# KiCad board processed.kicad_pcb (continued)
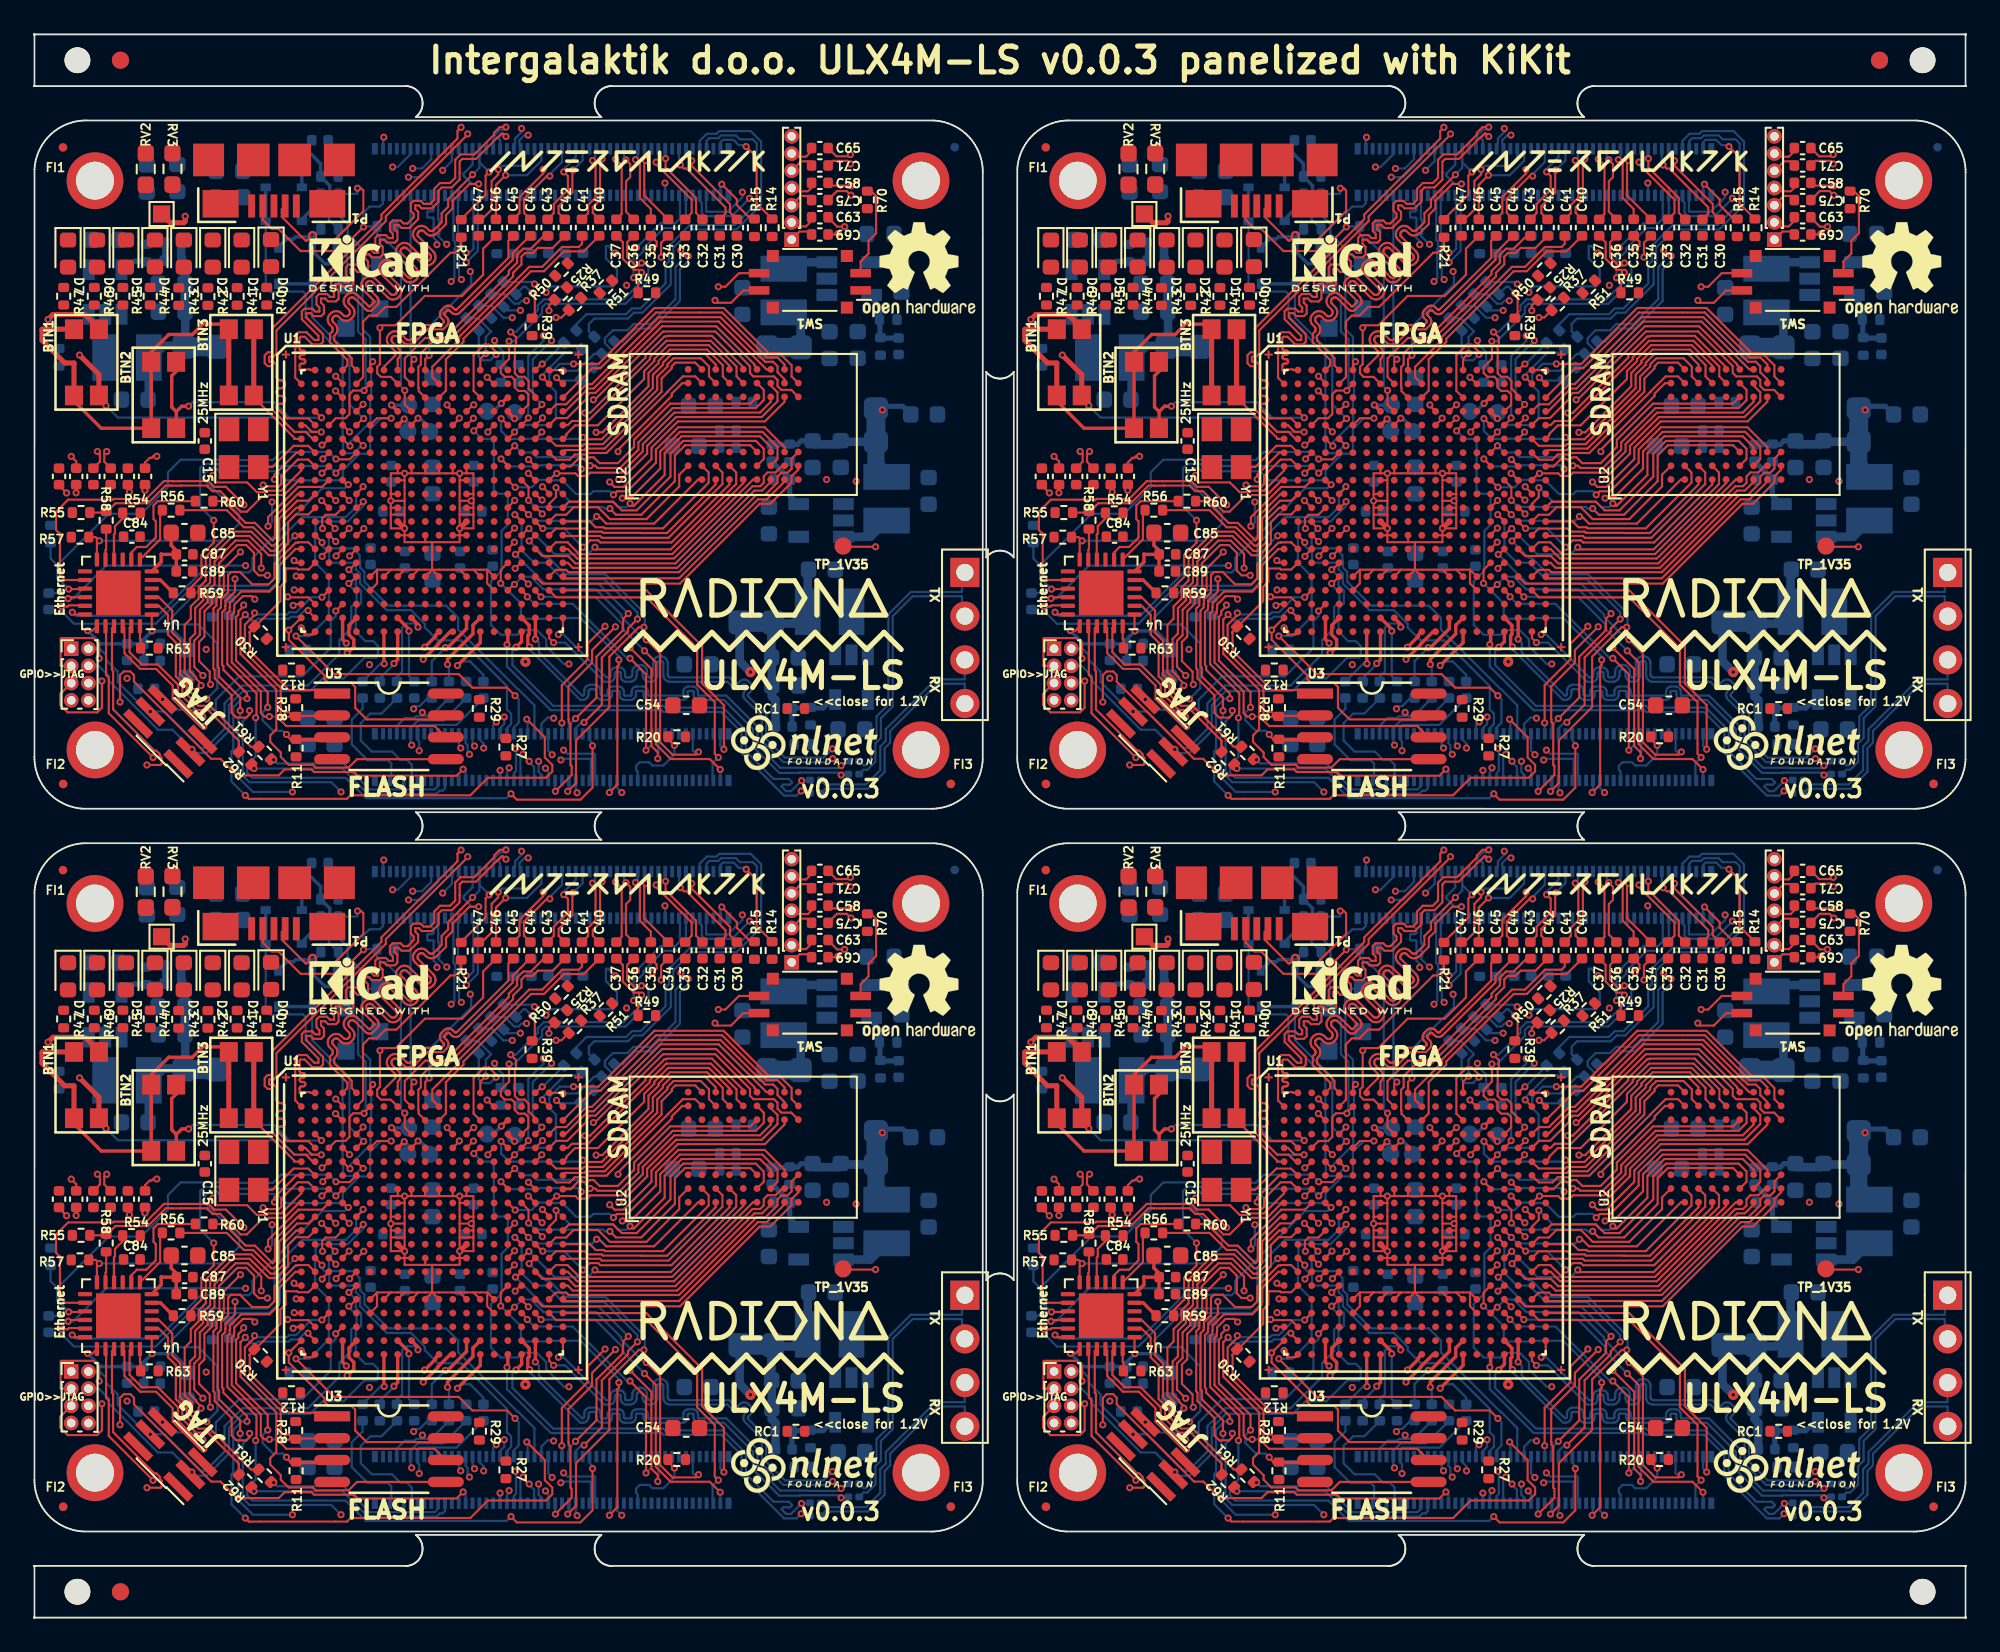
[diagram p0: board, top side]
## Routing (per net, layer and track width the routed paths; a pad name or vN(x,y) marks a point on that pad's centre or on a via; arc(x,y) is an arc through that point) (continued)
  Bottom w0.127: v1(85.5,50.17) 85.35,50.02 85.35,48.66 J1#2.41
Board_1-GPIO26: length 17.3
  Top w0.127: v1(72.15,58.82) 72.22,58.9 U1#2.V1
  In2.Cu w0.127: v1(81.88,50.53) 80.2,52.21 80.2,56.62 80.01,56.81 78.35,56.81 78.31,56.77 78.3,56.77 78.19,56.66 75.78,56.66 75.39,57.05 73.91,57.05 v1(72.15,58.82)
  Bottom w0.127: v1(81.88,50.53) 81.77,50.64 J1#2.24
Board_1-GPIO27: length 31.5
  Top w0.127: v1(85.05,60.97) 85.37,61.3 U1#2.R17
  In2.Cu w0.127: v1(87.28,52.27) 87.28,51.66 87.33,51.62 87.57,51.62 88.4,50.79 88.4,48.99 89.84,47.55 91.74,47.55 92.37,48.18 94.33,48.18 94.83,48.68 94.83,50.84 94.47,51.2 94.14,51.2 93.46,51.88 93.46,53.19 92.12,54.53 92.12,56.58 91.82,56.88 90.11,56.88 86.97,60.02 86.82,60.02 85.87,60.97 v1(85.05,60.97)
  Bottom w0.127: v1(87.28,52.27) 87.24,52.31 86.94,52.31 86.57,51.93 J1#2.48
Board_1-HDMI0_CLK_N: length 5.3
  Top w0.127: C30#2.2 97.53,81.66 97.53,82.14 95.31,84.36 v1(95.31,84.66)
  Bottom w0.127: v1(95.31,84.66) 94.97,85 J2#2.90
Board_1-HDMI0_CLK_P: length 5.5
  Top w0.127: C31#2.2 97.27,81.6 97.27,81.95 95.01,84.21 94.85,84.21 v1(94.64,84.42)
  Bottom w0.127: J2#2.88 94.57,84.49 v1(94.64,84.42)
Board_1-HDMI0_SCL: length 6.9
  Top w0.127: v1(98.47,85.49) 99.08,84.88 99.08,82.18 R14#2.2
  Bottom w0.127: v1(98.47,85.49) 98.39,85.57 98.04,85.57 97.73,85.88 97.12,85.88 96.97,85.73 J2#2.100
Board_1-HDMI0_SDA: length 3.6
  Top w0.127: v1(97.05,83.3) 97.93,82.42 97.93,82.08 98.74,81.28 R15#2.2
  Bottom w0.127: v1(97.05,83.3) 96.97,83.21 J2#2.99
Board_1-HDMI0_TX0_N: length 5
  Top w0.127: v1(93.79,84.79) 93.79,84.27 95.56,82.5 95.56,81.63 C32#2.2
  Bottom w0.127: J2#2.84 93.77,84.81 v1(93.79,84.79)
Board_1-HDMI0_TX0_P: length 5.2
  Top w0.127: C33#2.2 95.3,81.63 95.3,82.39 93.24,84.46 v1(93.24,84.58)
  Bottom w0.127: J2#2.82 93.37,84.71 v1(93.24,84.58)
Board_1-HDMI0_TX1_N: length 4.7
  Top w0.127: v1(92.64,84.67) 92.55,84.58 92.55,82.64 C34#4.2
  Bottom w0.127: J2#2.78 92.57,84.74 v1(92.64,84.67)
Board_1-HDMI0_TX1_P: length 4.5
  Top w0.127: C35#2.2 92.93,81.86 92.29,82.49 92.29,84.46 v1(92.04,84.72)
  Bottom w0.127: J2#2.76 92.17,84.85 v1(92.04,84.72)
Board_1-HDMI0_TX2_N: length 4.5
  Top w0.127: v1(91.49,84.71) 91.73,84.46 91.73,83.71 91.49,83.46 91.49,81.7 C36#2.2
  Bottom w0.127: J2#2.72 91.37,84.83 v1(91.49,84.71)
Board_1-HDMI0_TX2_P: length 4.4
  Top w0.127: C37#2.2 91.23,81.56 91.23,84.39 v1(90.88,84.75)
  Bottom w0.127: J2#2.70 90.97,84.84 v1(90.88,84.75)
Board_1-HDMI1_CLK_N: length 4.5
  Top w0.127: C40#2.2 89.56,81.63 89.56,81.97 89.98,82.39 89.98,84.65 v1(90.1,84.76)
  Bottom w0.127: J2#2.66 90.17,84.84 v1(90.1,84.76)
Board_1-HDMI1_CLK_P: length 4.6
  Top w0.127: 89.6,84.48 89.72,84.36 89.72,82.52 89.28,82.09 89.28,81.61 C41#2.2
  Top w0.2: v1(89.54,84.68) 89.54,84.53 89.6,84.48
  Bottom w0.127: J2#2.64 89.69,85.28 89.69,84.83 v1(89.54,84.68)
Board_1-HDMI1_TX0_N: length 4.8
  Top w0.127: C42#2.2 87.57,81.62 87.57,82.02 88.37,82.82 88.37,84.08 v1(88.41,84.12)
  Bottom w0.127: v1(88.41,84.12) 88.97,84.68 J2#2.60
Board_1-HDMI1_TX0_P: length 5
  Top w0.127: C43#2.2 87.29,81.62 87.29,82.15 88.11,82.97 88.11,83.77 v1(87.87,84.01)
  Bottom w0.127: v1(87.87,84.01) 87.87,84.17 88.57,84.87 J2#2.58
Board_1-HDMI1_TX1_N: length 5.3
  Top w0.127: C44#2.2 85.56,81.63 85.56,82.45 86.88,83.77 v1(87.06,83.77)
  Bottom w0.127: J2#2.54 87.77,84.58 87.06,83.88 v1(87.06,83.77)
Board_1-HDMI1_TX1_P: length 5.1
  Top w0.127: C45#2.2 85.3,81.63 85.3,82.55 86.67,83.92 v1(86.67,84.15)
  Bottom w0.127: J2#2.52 87.37,84.85 v1(86.67,84.15)
Board_1-HDMI1_TX2_N: length 5.9
  Top w0.127: v1(84.49,83.82) 83.93,83.26 C46#2.2
  Bottom w0.127: J2#2.48 86.57,84.66 85.73,83.82 v1(84.49,83.82)
Board_1-HDMI1_TX2_P: length 6.5
  Top w0.127: C47#2.2 83.11,81.26 83.68,81.82 83.68,83.47 84.06,83.86 v1(84.06,84.16)
  Bottom w0.127: J2#2.46 86.17,84.68 85.85,84.36 84.27,84.36 v1(84.06,84.16)
Board_1-ID_SC: length 66.1
  Top w0.127: v1(70.69,63.42) 70.69,63.94 72.45,65.7 73.83,65.7 U1#2.J3
  In2.Cu w0.127: v1(70.92,64.83) 70.71,65.04 70.61,65.04 68.87,66.78 67.29,66.78 66.39,65.88 65.01,65.88 64.06,66.82 58.41,66.82 58.03,66.45 58.03,52.73 58.2,52.56 58.2,49.58 59.7,48.09 68.72,48.09 69.07,48.43 69.66,48.43 69.74,48.36 71.53,48.36 71.93,48.76 74.13,48.76 74.25,48.89 76.67,48.89 77.05,48.51 77.85,48.51 77.87,48.53 83.47,48.53 83.47,48.53 83.62,48.53 84.17,49.09 v1(84.17,49.24)
  Bottom w0.127: J1#2.35 84.17,49.23 v1(84.17,49.24) ; v1(70.69,63.42) 70.92,63.65 v1(70.92,64.83)
Board_1-ID_SD: length 63.5
  Top w0.127: v1(67.48,66.38) 67.48,66.15 67.67,65.96 69.47,65.96 70.04,65.4 70.54,65.4 70.62,65.48 71.45,65.48 72.62,66.66 U1#2.H1
  In2.Cu w0.127: v1(67.48,66.38) 66.72,65.61 64.91,65.61 63.96,66.57 58.52,66.57 58.29,66.34 58.29,52.83 58.69,52.44 61.24,52.44 62.84,50.84 62.84,49.43 63.37,48.89 63.92,48.89 64.1,49.07 64.57,49.07 65.25,48.4 68.67,48.4 68.96,48.69 69.77,48.69 69.84,48.61 71.43,48.61 71.83,49.01 74.02,49.01 74.15,49.14 76.77,49.14 77.15,48.76 77.75,48.76 77.76,48.78 83.36,48.78 83.36,48.79 83.51,48.79 83.77,49.04 83.77,49.43 84.41,50.07 v1(84.41,52.34)
  Bottom w0.127: J1#2.36 84.17,51.68 84.41,51.93 v1(84.41,52.34)
Board_1-JTAG_TCK: length 25.9
  Top w0.127: U1#2.T5 75.42,60.09 v1(75.38,60.09)
  Bottom w0.127: v1(75.38,60.09) 75.38,60.03 75.83,59.58 75.83,59.05 75.52,58.74 75.52,57.5 74.83,56.81 74.83,56.25 74.83,56.24 74.83,55.99 73,54.17 69.2,54.17 68.16,53.12 68.16,51.64 67.05,50.54 66.78,50.54 64.67,52.65 v1(63.84,52.65) 63.68,52.65 61.95,54.38 61.95,54.97 61.27,55.65 61.27,55.93 60.91,56.29 60.26,56.29 J6#2.2
Board_1-JTAG_TDI: length 29.1
  Top w0.127: U1#2.R5 75.42,60.89 v1(75.39,60.89)
  Bottom w0.127: v1(75.39,60.89) 75.78,60.5 75.78,59.98 76.09,59.67 76.09,58.95 75.78,58.64 75.78,57.31 76.34,56.75 76.79,56.75 77.07,56.47 77.07,55.89 76.97,55.79 76.29,55.79 75.08,54.58 73.86,54.58 73.13,53.85 69.24,53.85 68.41,53.02 68.41,51.53 67.13,50.24 66.48,50.24 v1(66.27,50.45) 65.13,51.6 64.29,51.6 61.43,54.46 61.43,54.73 60.85,55.31 J6#2.4
Board_1-JTAG_TDO: length 19.4
  Top w0.127: v1(74.62,58.5) U1#2.V4
  In2.Cu w0.127: v1(64.55,53.36) 64.23,53.68 61.71,53.68 61.36,54.03 60.53,54.03 J6#2.6
  Bottom w0.127: v1(64.55,53.36) 65.15,52.76 67.64,52.76 67.65,52.77 67.65,53.34 69.01,54.7 72.67,54.7 74.19,56.22 74.19,56.27 74.33,56.4 74.33,57.9 74.62,58.2 v1(74.62,58.5)
Board_1-Net-(BTN1-Pad1): length 25.9
  Top w0.2: BTN3#2.1 68.11,75.17 67.08,75.17 67.01,75.24 66.96,75.24 66.29,74.57 64.92,74.57 63.9,73.54 BTN2#2.1 BTN2#2.1 63.89,69.12 60.99,69.12 59.41,70.7 BTN1#2.1
  Top w0.3: BTN3#2.1 BTN3#2.1 ; BTN1#2.1 57.58,74.87 57.55,74.85 57.55,74.23 58.87,72.91 59.41,72.91 BTN1#2.1
Board_1-Net-(D10-Pad1): length 1.6
  Bottom w0.2: D10#2.1 72.65,84.53 R4#2.1
Board_1-Net-(D11-Pad2): length 1.4
  Bottom w0.2: D11#2.2 72.65,81.26 73.09,81.7 R5#2.1
Board_1-Net-(D12-Pad1): length 2
  Bottom w0.2: R6#2.1 74,78.68 73.24,79.44 D12#2.1
Board_1-Net-(D13-Pad2): length 2.9
  Bottom w0.2: D13#2.2 71.77,80.11 72.17,80.11 72.29,80.24 73.31,80.24 R7#2.1
Board_1-Net-(R22-Pad2): length 3.5
  Top w0.127: U1#2.A19 87.79,72.5 v1(87.83,72.46)
  Bottom w0.127: R22#2.2 89.64,73.43 88.66,72.46 v1(87.83,72.46)
Board_1-Net-(R23-Pad2): length 2.3
  Top w0.127: v1(86.61,72.85) 86.57,72.85 U1#2.A18
  Bottom w0.127: v1(86.61,72.85) 86.65,72.85 R23#2.2
Board_1-Net-(R24-Pad2): length 4.3
  Top w0.127: U1#2.A14 83.02,73.15 v1(83.34,73.46)
  Bottom w0.127: v1(83.34,73.46) 83.34,74.42 83.65,74.73 82.88,75.5 R24#2.2
Board_1-Net-(R25-Pad2): length 10.3
  Top w0.127: R25#2.2 87.01,76.25 v1(87.01,75.95) ; v1(82.64,70.48) 82.6,70.48 U1#2.D13
  In2.Cu w0.127: v1(87.01,75.95) 86.74,75.95 85.17,74.37 85.17,73.71 84.46,73 82.46,73 82.2,72.75 82.2,70.92 v1(82.64,70.48)
Board_1-Net-(R26-Pad2): length 11.6
  Top w0.127: U1#2.D12 81.09,70.43 v1(81.09,70.47)
  In2.Cu w0.127: v1(81.09,70.47) 81.09,73.21 84.41,76.53 v1(85.71,76.53)
  Bottom w0.127: R26#2.2 84.45,76.89 84.99,76.35 85.26,76.35 85.43,76.53 v1(85.71,76.53)
Board_1-Net-(R34-Pad1): length 2
  Top w0.127: v1(87.45,72.06) 87.46,72.06 U1#2.B20
  Bottom w0.127: v1(87.45,72.06) 87.62,71.89 88.81,71.89 R34#2.1
Board_1-Net-(R35-Pad1): length 3.6
  Top w0.127: U1#2.B19 v1(86.63,72.09)
  Bottom w0.127: R35#2.1 88.74,73.51 87.93,73.51 86.63,72.21 v1(86.63,72.09)
Board_1-Net-(R36-Pad1): length 7.3
  Top w0.127: U1#2.C14 82.63,71.29 82.63,73.36 83.25,73.97 83.51,73.97 83.94,73.55 v1(83.94,73.4)
  Bottom w0.127: R36#2.1 82.93,73.28 83.15,73.06 83.6,73.06 v1(83.94,73.4)
Board_1-Net-(R37-Pad1): length 11.4
  Top w0.127: U1#2.E13 v1(82.62,69.7) ; R37#2.1 87.73,75.55 v1(87.42,75.55)
  In2.Cu w0.127: v1(87.42,75.55) 86.7,75.55 85.42,74.27 85.42,73.61 84.46,72.65 82.46,72.65 82.46,71.24 83.04,70.66 83.04,70.12 v1(82.62,69.7)
Board_1-Net-(R38-Pad1): length 10.4
  Top w0.127: U1#2.E12 81.8,69.68 v1(81.8,69.7)
  In2.Cu w0.127: v1(85.35,75.96) 84.21,75.96 81.38,73.13 81.38,70.76 81.8,70.33 v1(81.8,69.7)
  Bottom w0.127: R38#2.1 84.59,75.96 v1(85.35,75.96)
Board_1-Net-(R54-Pad1): length 2.9
  Top w0.127: U4#2.10 61.73,61.49 61.73,62.92 61.79,62.99 61.79,63.43 62.24,63.88 R54#2.1
Board_1-Net-(R56-Pad1): length 3.4
  Top w0.127: R56#2.1 64.41,64.23 64.41,62.66 U4#2.7
Board_1-Net-(R58-Pad2): length 1.8
  Top w0.127: U4#2.11 61.24,62.04 61.28,62.08 R58#2.2
Board_1-Net-(R60-Pad1): length 6.6
  Top w0.127: R60#2.1 64.28,64.88 64.03,64.63 64.03,63.84 64.16,63.71 64.16,62.77 63.61,62.22 63.06,62.22 62.74,61.9 U4#2.8
Board_1-Net-(R70-Pad2): length 5.5
  Top w0.127: SW1#2.2 105.12,78.81 105.58,79.27 105.58,80.01 106.02,80.45 106.02,82.6 105.73,82.9 R70#2.2
Board_1-Net-(TP_C16-Pad1): length 1.5
  Top w0.2: v1(84.24,70.56) 84.58,70.9 U1#2.C16
  Bottom w0.2: TP_C16#2.1 83.78,70.1 v1(84.24,70.56)
Board_1-Net-(TP_D8-Pad1): length 1.5
  Top w0.2: U1#2.D8 78.22,70.11 v1(77.86,70.47)
  Bottom w0.2: v1(77.86,70.47) 77.87,70.45 TP_D8#2.1
Board_1-Net-(TP_D16-Pad1): length 0.9
  Top w0.2: U1#2.D16 84.62,70.07 v1(85.01,69.68)
  Bottom w0.2: TP_D16#2.1 85.02,69.69 v1(85.01,69.68)
Board_1-Net-(TP_E8-Pad1): length 1.3
  Top w0.2: v1(78.6,69.66) 78.24,69.3 U1#2.E8
  Bottom w0.2: v1(78.6,69.66) 78.81,69.45 TP_E8#2.1
Board_1-Net-(TP_E9-Pad1): length 1.7
  Top w0.127: v1(79.4,69.7) 79.02,69.32 U1#2.E9
  Bottom w0.2: v1(79.4,69.7) 79.51,69.7 80.08,69.13 TP_E9#2.1
Board_1-nEXTRST: length 16.9
  Top w0.127: U1#2.U20 92.67,59.7 95.91,56.46 95.91,54.29 97.17,53.02 v1(97.17,50.46)
  Bottom w0.127: v1(97.17,50.46) 96.97,50.66 J1#2.100
Board_1-PCIe_CLK_nREQ: length 19.2
  Top w0.127: v1(80.05,73.36) 79.82,73.13 U1#2.A10
  In2.Cu w0.127: v1(82.44,78.23) 82.71,78.5 82.71,79.52 81.61,80.62 81.61,84.39 80.71,85.29 78.15,85.29 v1(77.41,86.03)
  Bottom w0.127: v1(80.05,73.36) 80.06,73.37 80.06,75.04 82.49,77.47 82.49,78.18 v1(82.44,78.23) ; J2#2.2 77.37,85.98 v1(77.41,86.03)
Board_1-PCIe_CLK_P: length 35.3
  Top w0.127: C59#2.1 59.54,67.19 v1(59.25,67.48)
  In2.Cu w0.127: v1(59.25,67.48) 59.1,67.63 59.1,68.58 60.04,69.52 66.28,69.52 68.65,71.89 68.67,71.89 68.84,71.72 69.07,71.72 69.38,72.03 69.38,72.26 69.21,72.43 69.21,72.45 71.19,74.42 71.19,74.71 71.02,74.87 71.02,74.95 71.13,75.05 71.2,75.05 71.71,74.54 72,74.54 72.25,74.8 72.25,75.11 71.98,75.39 71.97,75.39 71.76,75.61 71.76,75.68 71.86,75.79 71.94,75.79 72.1,75.62 72.39,75.62 73.67,76.9 73.67,77.2 73.44,77.42 73.44,77.85 73.86,77.85 74.09,77.62 74.72,77.62 77.99,80.89 77.99,82.53 78.24,82.78 78.24,82.83 77.99,83.08 77.99,84.23 v1(77.93,84.3)
  Bottom w0.127: J2#2.10 78.97,85.04 78.22,84.3 v1(77.93,84.3)
Board_1-PCIe_nRST: length 10.3
  Top w0.127: U1#2.A9 79.02,72.98 v1(79.17,73.12)
  Bottom w0.127: J2#2.9 78.97,73.32 v1(79.17,73.12)
Board_1-PCIe_RX_N: length 35.2
  Top w0.127: v1(60.77,67.77) 60.91,67.62 60.91,67.17 C67#2.2
  In2.Cu w0.127: v1(78.84,83.7) 79.19,83.7 79.33,83.56 79.33,81.24 70.95,72.86 68.65,70.56 68.49,70.56 68.32,70.72 67.95,70.72 67.79,70.55 67.79,70.18 67.95,70.02 67.95,69.85 67.94,69.84 67.78,69.84 67.61,70.01 67.24,70.01 67.07,69.84 67.07,69.47 67.24,69.3 67.24,69.14 65.59,69.14 65.49,69.24 65.29,69.24 65.19,69.14 64.99,69.14 64.89,69.24 64.69,69.24 64.59,69.14 64.15,69.14 63.58,68.57 63.26,68.57 63.14,68.69 63.14,68.92 62.88,69.18 62.65,69.18 62.38,68.92 62.38,67.79 62.26,67.66 62.13,67.79 62.13,68.3 61.85,68.57 61.29,68.57 60.91,68.2 60.91,67.91 v1(60.77,67.77)
  Bottom w0.127: J2#2.18 80.57,84.75 79.52,83.7 v1(78.84,83.7)
Board_1-PCIe_RX_P: length 35.5
  Top w0.127: v1(61.31,67.77) 61.17,67.62 61.17,67.17 C61#2.1
  In2.Cu w0.127: v1(79.09,84.21) 79.59,83.71 79.59,81.64 79.71,81.51 80.02,81.51 80.15,81.39 80.02,81.26 79.71,81.26 68.84,70.39 68.76,70.3 68.38,70.3 68.22,70.47 68.06,70.47 68.04,70.45 68.04,70.29 68.2,70.12 68.2,69.75 68.04,69.59 67.67,69.59 67.51,69.75 67.34,69.75 67.33,69.74 67.33,69.57 67.49,69.41 67.49,69.04 67.34,68.89 65.03,68.89 64.83,68.69 64.73,68.69 64.53,68.89 64.25,68.89 63.68,68.32 63.15,68.32 62.89,68.58 62.89,68.81 62.78,68.93 62.75,68.93 62.64,68.81 62.64,67.68 62.36,67.41 62.15,67.41 61.87,67.68 61.87,68.19 61.75,68.32 61.39,68.32 61.17,68.09 61.17,67.91 v1(61.31,67.77)
  Bottom w0.127: v1(79.09,84.21) 79.63,84.21 80.17,84.75 J2#2.16
Board_1-PCIe_TX_P: length 34.6
  Top w0.127: C55#2.1 63.54,67.13 63.81,67.4 63.92,67.4 64.01,67.49 v1(64.22,67.49)
  In2.Cu w0.127: v1(64.22,67.49) 64.31,67.58 64.67,67.58 65.26,68.17 65.67,68.17 65.84,67.99 65.97,67.99 66.14,68.17 67.84,68.17 69.06,69.39 69.08,69.41 69.11,69.42 69.15,69.43 69.18,69.43 69.21,69.42 69.24,69.41 69.27,69.39 69.71,68.94 69.78,68.89 69.85,68.85 69.94,68.83 70.02,68.83 70.11,68.85 70.18,68.89 70.25,68.94 70.28,68.97 70.33,69.04 70.37,69.12 70.39,69.2 70.39,69.29 70.37,69.37 70.33,69.45 70.28,69.51 69.84,69.96 69.82,69.98 69.8,70.01 69.8,70.04 69.8,70.08 69.8,70.11 69.82,70.14 69.84,70.16 69.86,70.18 69.89,70.2 69.92,70.21 69.96,70.21 69.99,70.2 70.02,70.18 70.04,70.16 70.49,69.72 70.55,69.67 70.63,69.63 70.71,69.61 70.8,69.61 70.88,69.63 70.96,69.67 71.03,69.72 71.06,69.75 71.11,69.82 71.15,69.9 71.17,69.98 71.17,70.06 71.15,70.15 71.11,70.22 71.06,70.29 70.61,70.74 70.59,70.76 70.58,70.79 70.57,70.82 70.57,70.85 70.58,70.89 70.59,70.92 70.61,70.94 70.64,70.96 70.67,70.98 70.7,70.98 70.73,70.98 70.77,70.98 70.8,70.96 70.82,70.94 71.12,70.64 71.19,70.58 71.27,70.55 71.35,70.53 71.44,70.53 71.52,70.55 71.6,70.58 71.66,70.64 71.7,70.67 71.75,70.74 71.79,70.81 71.81,70.9 71.81,70.98 71.79,71.07 71.75,71.14 71.7,71.21 71.39,71.51 71.37,71.54 71.36,71.57 71.35,71.6 71.35,71.63 71.36,71.66 71.37,71.69 71.39,71.72 71.4,71.72 71.41,71.72 71.51,71.62 71.55,71.58 71.6,71.56 71.66,71.54 71.71,71.54 71.77,71.56 71.82,71.58 71.86,71.62 72.08,71.83 72.11,71.88 72.14,71.93 72.15,71.98 72.15,72.04 72.14,72.09 72.11,72.14 72.08,72.19 71.98,72.29 71.97,72.3 71.98,72.3 75.9,76.22 76.29,76.22 76.79,76.72 76.79,76.73 80.83,80.78 80.83,82.32 80.98,82.47 81.18,82.47 81.33,82.62 81.18,82.77 80.98,82.77 80.83,82.92 v1(80.83,84.1)
  Bottom w0.127: J2#2.22 81.37,84.64 v1(80.83,84.1)
Board_1-RGMII_REF_CLK: length 26
  Top w0.127: U4#2.14 58.89,60.3 58.59,60.6 58.59,63.01 58.56,63.01 58.37,63.2 58.37,64.27 59.07,64.97 61.67,64.97 61.71,65.01 63.6,65.01 64.63,66.04 65.15,66.04 65.15,66.03 65.54,66.03 65.54,66.04 67.23,66.04 67.56,65.71 68.24,65.71 v1(69.28,64.67) ; U1#2.H2 73.02,67.3 72.41,67.3 71.46,66.34 71.46,65.87 71.32,65.74 70.48,65.74 v1(70.4,65.82)
  In2.Cu w0.127: v1(70.4,65.82) 70.48,65.74 71.1,65.74 71.33,65.51 71.33,64.53 71.12,64.33 70.74,64.33 70.48,64.59 69.36,64.59 v1(69.28,64.67)
Board_1-RGMII_RX_DV: length 14.3
  Top w0.127: U1#2.J1 72.48,66.1 71.62,65.23 70.73,65.23 70.63,65.14 70.32,65.14 69.46,64.27 69.1,64.27 67.91,65.46 67.46,65.46 67.19,65.73 67.18,65.73 67.12,65.79 65.65,65.79 65.64,65.78 65.05,65.78 65.04,65.79 64.74,65.79 63.71,64.76 61.82,64.76 61.34,64.28 R58#2.1 61.22,64.22 R55#2.2
Board_1-RGMII_RXD0: length 7.9
  Top w0.127: U1#2.K1 72.41,65.3 71.09,63.97 71.09,62.73 70.95,62.59 69.93,63.62 69.39,63.62 68.13,64.88 R60#2.2
Board_1-RGMII_RXD1: length 10.7
  Top w0.127: R56#2.2 68.29,64.36 69.28,63.36 69.82,63.36 70.89,62.3 71.02,62.3 71.34,62.62 71.34,63.86 72.38,64.9 73.03,64.9 U1#2.K2
Board_1-RGMII_TX_CLK: length 16.9
  Top w0.127: R59#2.2 66.2,59.87 66.81,60.48 66.81,61.75 67.53,62.46 v1(67.53,63.77) ; U1#2.H4 v1(74.63,66.51)
  Bottom w0.127: v1(74.63,66.51) 74.21,66.92 67.89,66.92 67.78,67.03 66.98,67.03 66.74,66.79 66.74,64.55 v1(67.53,63.77)
Board_1-RGMII_TX_EN: length 20.3
  Top w0.127: U4#2.16 59.15,59.3 v1(59.07,59.22) ; U1#2.K3 74.6,64.92 v1(74.62,64.92)
  In2.Cu w0.127: v1(69.38,61.14) 69.86,61.14 71.34,62.62 71.34,63.47 73.19,65.32 74.22,65.32 v1(74.62,64.92)
  Bottom w0.127: v1(69.38,61.14) 61.28,61.14 59.37,59.22 v1(59.07,59.22)
Board_1-RGMII_TXD0: length 25
  Top w0.127: v1(58.69,58.76) 59.05,58.76 59.12,58.82 60.03,58.82 U4#2.17 ; U1#2.K5 76.21,65.69 v1(76.21,65.72)
  Bottom w0.127: v1(76.21,65.72) 75.8,65.32 75.8,64.55 75.21,63.95 72.67,63.95 71.06,62.34 71.06,60.38 70.64,59.96 66.37,59.96 64.16,57.76 59.41,57.76 58.69,58.48 v1(58.69,58.76)
Board_1-RGMII_TXD1: length 20.9
  Top w0.127: v1(59.31,58.42) 59.44,58.3 U4#2.18 ; v1(75.35,65.84) 75.28,65.84 U1#2.J4
  Bottom w0.127: v1(59.31,58.42) 59.52,58.21 64.26,58.21 66.81,60.76 69.09,60.76 69.12,60.74 69.57,60.74 69.78,60.94 69.78,61.57 73.84,65.63 75.14,65.63 v1(75.35,65.84)
Board_1-RUN_PG: length 20.2
  Top w0.127: v1(95.7,50.31) 95.54,50.15 94.19,50.15 93.47,50.87 93.47,56.02 v1(92.67,56.82) ; v1(85.01,60.04) 84.96,60.04 U1#2.U16
  Bottom w0.127: v1(95.7,50.31) 95.69,50.29 95.47,50.29 95.37,50.39 J1#2.92 ; v1(92.67,56.82) 92.55,56.82 91.22,58.15 91.22,58.27 89.74,59.76 86.69,59.76 85.96,60.49 85.45,60.49 v1(85.01,60.04)
Board_1-SCL0: length 14.8
  Top w0.127: U1#2.U17 85.75,59.36 v1(85.75,59.32) ; v1(91.72,55.75) 92.65,54.82 v1(92.65,50.4)
  Bottom w0.127: J1#2.80 92.97,50.72 v1(92.65,50.4) ; v1(91.72,55.75) 91.55,55.75 88.38,58.92 86.16,58.92 v1(85.75,59.32)
Board_1-SD_CLK: length 45.2
  Top w0.127: v1(69.61,52.71) 69.61,52.49 69.42,52.3 68.85,52.3 68.57,52.58 68.57,53.6 67.58,54.58 67.58,55.08 67.51,55.15 67.51,58.64 67.69,58.82 67.69,59.27 68.11,59.69 68.11,60.96 v1(69.08,61.92) ; U1#2.G1 72.34,67.7 71.06,66.41 v1(71.06,66.15)
  In2.Cu w0.127: v1(71.06,66.15) 71.58,65.62 71.58,64.43 70.97,63.82 70.51,63.82 69.08,62.4 v1(69.08,61.92) ; v1(88.65,47.93) 88.33,47.62 85.71,47.62 85.05,48.27 84.45,48.27 83.9,47.73 75.18,47.73 v1(74.93,47.98)
  Bottom w0.127: v1(88.65,47.93) 88.57,48.01 J1#2.57 ; v1(74.93,47.98) 74.36,48.55 69.6,48.55 69.22,48.93 69.22,49.64 69.22,52.09 69.61,52.49 v1(69.61,52.71)
Board_1-SD_CMD: length 41.3
  Top w0.127: v1(69.97,52.29) 70.01,52.34 70.01,53.71 68.32,55.4 68.32,58.36 68.45,58.49 68.45,58.69 68.47,58.7 68.47,58.96 69.13,59.62 70.77,59.62 71.32,60.17 71.32,61.13 72.28,62.1 U1#2.P1 ; v1(89.54,50.66) 89.54,48.24 88.84,47.53 85.14,47.53 v1(84.8,47.87)
  Bottom w0.127: v1(84.8,47.87) 84.55,47.62 76.38,47.62 75.2,48.8 69.78,48.8 69.47,49.1 69.47,49.53 69.97,50.03 v1(69.97,52.29) ; J1#2.62 89.37,50.98 89.54,50.81 v1(89.54,50.66)
Board_1-SD_D0: length 28.7
  Top w0.127: v1(83.42,72.08) 83.8,71.7 U1#2.B15
  In2.Cu w0.127: v1(87.86,50.41) 87.86,50.95 87.48,51.32 87.26,51.32 86.88,51.7 86.88,55.83 86.88,55.84 86.88,57.14 85.96,58.06 85.58,58.06 85.39,58.25 85.39,58.63 84.61,59.41 84.61,60.31 84.11,60.81 84.11,61.92 82.95,63.07 82.95,68.2 83.04,68.29 83.04,69.11 83.3,69.37 83.31,69.37 83.31,70.77 82.86,71.22 82.86,71.52 v1(83.42,72.08)
  Bottom w0.127: J1#2.63 89.69,48.72 89.69,50.16 89.65,50.2 88.07,50.2 v1(87.86,50.41)
Board_1-SD_D1: length 19.4
  Top w0.127: v1(91.07,55.66) 91.07,55.36 90.98,55.27 90.98,48.41 v1(90.52,47.95) ; v1(84.21,60.11) 84.21,60.11 84.21,60.89 U1#2.R16
  Bottom w0.127: J1#2.67 90.57,47.99 v1(90.52,47.95) ; v1(84.21,60.11) 85.38,58.93 85.38,58.1 85.44,58.05 87.04,58.05 87.08,58.09 88.84,58.09 91.07,55.85 v1(91.07,55.66)
Board_1-SD_D2: length 29
  Top w0.127: v1(82.64,68.96) 82.97,69.3 U1#2.E14
  In2.Cu w0.127: v1(88.17,55.42) 91.03,52.55 91.03,48.15 v1(91.24,47.95)
  Bottom w0.127: v1(91.24,47.95) 90.97,48.22 J1#2.69 ; v1(82.64,68.96) 83.11,68.5 83.6,68.5 83.81,68.29 83.81,65.56 84.05,65.31 84.44,65.31 84.62,65.13 84.62,63.51 84.26,63.15 84.26,60.83 83.64,60.21 83.64,57.69 84.21,57.12 85.2,57.12 85.47,57.38 86.32,57.38 86.85,56.85 86.85,56.44 87.87,55.42 v1(88.17,55.42)
Board_1-SD_D3: length 43.4
  Top w0.127: v1(69.07,52.7) 69.07,53.46 67.84,54.69 67.84,55.19 67.76,55.26 67.76,58.52 67.95,58.7 67.95,58.9 67.96,58.91 67.96,59.17 68.37,59.58 68.37,60.59 68.54,60.76 69.05,60.76 69.77,60.05 70.73,60.05 71.06,60.38 71.06,61.23 72.29,62.47 72.42,62.47 72.44,62.49 73.03,62.49 U1#2.P2
  In2.Cu w0.127: v1(87.7,49.84) 87.7,49.65 87.53,49.48 87.53,48.85 87.2,48.53 84.34,48.53 83.8,47.99 75.51,47.99 75.12,48.38 74.74,48.38 74.34,47.98 v1(72.1,47.98)
  Bottom w0.127: v1(69.07,52.7) 69.07,52.4 68.96,52.3 68.96,48.82 69.81,47.98 v1(72.1,47.98) ; v1(87.7,49.84) 87.77,49.9 89.44,49.9 89.44,49.9 89.44,48.72 J1#2.61
Board_1-SD_PWR_ON: length 29.5
  Top w0.127: R20#2.1 93.93,51.06 v1(94.3,50.69) ; v1(83.46,68.9) 83.46,68.94 U1#2.E15
  In2.Cu w0.127: v1(83.46,68.9) 83.81,68.55 83.81,65.13 83.58,64.91 83.58,63.87 84.05,63.4 84.05,62.4 84.39,62.06 84.39,61 84.88,60.51 85.16,60.51 85.41,60.26 85.41,59.57 85.35,59.51 85.35,59.15 85.63,58.87 86,58.87 86.26,58.61 86.26,58.24 86.42,58.08 87.74,58.08 92.96,52.86 92.96,51.73 94,50.69 v1(94.3,50.69)
  Bottom w0.127: J1#2.75 92.17,49.16 92.07,49.25 92.07,49.5 92.28,49.71 92.83,49.71 93.02,49.52 93.66,49.52 94.3,50.15 v1(94.3,50.69)
Board_1-SDA0: length 16.6
  Top w0.127: v1(93.33,49.92) 93.33,50.28 92.96,50.65 92.96,55.12 v1(91.72,56.37) ; v1(85.81,60.06) 85.42,60.45 U1#2.T17
  In2.Cu w0.127: v1(91.72,56.37) 90.12,56.37 86.72,59.76 86.11,59.76 v1(85.81,60.06)
  Bottom w0.127: v1(93.33,49.92) 93.37,49.95 J1#2.82
Board_1-SDRAM_A0: length 20.5
  Top w0.127: v1(90.54,65.99) 90.82,65.7 91.35,65.7 92.97,67.32 92.97,67.98 94.5,69.51 99.56,69.51 100.7,70.65 U2#2.H7 ; U1#2.H16 84.62,66.94 v1(84.22,67.33)
  In2.Cu w0.127: v1(90.54,65.99) 89.64,65.99 v1(88.89,66.75)
  Bottom w0.127: v1(84.22,67.33) 84.66,66.89 86.4,66.89 86.46,66.96 88.67,66.96 v1(88.89,66.75)
Board_1-SDRAM_A1: length 17.9
  Top w0.127: U1#2.D19 87.43,70.5 88.01,70.5 89.18,71.68 89.5,71.68 93.4,75.57 96.98,75.57 99.57,72.98 100.04,72.98 100.29,72.72 100.29,72.37 100.7,71.96 U2#2.H8
Board_1-SDRAM_A2: length 24.3
  Top w0.127: U1#2.F16 85.01,68.89 v1(85.01,68.9) ; U2#2.J8 101.11,72.13 101.11,72.78 100.4,73.49 99.78,73.49 97.17,76.1 93.13,76.1 89.89,72.86 v1(88.44,72.86)
  Bottom w0.127: v1(88.44,72.86) 87.64,72.86 87.06,72.28 87.06,72.25 87.03,72.22 87.03,71.62 87.41,71.24 87.41,69.7 87.01,69.3 86.25,69.3 86.24,69.31 85.42,69.31 v1(85.01,68.9)
Board_1-SDRAM_A3: length 19.6
  Top w0.127: U1#2.E18 86.64,69.71 v1(86.64,69.72) ; v1(89.59,70.77) 89.67,70.77 93.64,74.74 96.68,74.74 98.69,72.72 98.69,72.32 98.89,72.13 100.09,72.13 100.29,71.92 100.29,71.57 100.51,71.34 101.09,71.34 U2#2.J7
  In2.Cu w0.127: v1(89.59,70.77) 87.69,70.77 v1(86.64,69.72)
Board_1-SDRAM_A4: length 18.1
  Top w0.127: U1#2.T19 87.41,60.89 88.01,60.89 88.14,60.75 94.56,60.75 99.05,65.24 99.56,65.24 100.29,65.96 100.29,66.3 100.51,66.53 100.87,66.53 101.11,66.77 101.11,67.34 U2#2.J3
Board_1-SDRAM_A5: length 18.6
  Top w0.127: U2#2.J2 101.5,66.71 101.11,66.32 101.11,65.97 99.87,64.73 99.26,64.73 94.62,60.09 86.63,60.09 U1#2.T18
Board_1-SDRAM_A6: length 19.8
  Top w0.127: v1(90.76,65.25) 90.96,65.45 91.57,65.45 93.22,67.11 93.22,67.87 94.53,69.18 99.54,69.18 100.7,68.02 U2#2.H3 ; U1#2.J16 85.03,65.68 v1(85.05,65.68)
  Bottom w0.127: v1(85.05,65.68) 86.01,65.68 86.44,66.12 86.82,66.12 86.85,66.09 87.79,66.09 88.59,65.29 89.42,65.29 89.59,65.46 90.54,65.46 v1(90.76,65.25)
Board_1-SDRAM_A7: length 17.4
  Top w0.127: U2#2.H2 100.56,66.94 100.17,66.54 99.71,66.54 99.49,66.32 99.49,65.95 99.29,65.74 98.84,65.74 94.35,61.26 88.55,61.26 88.12,61.69 86.62,61.69 U1#2.P18
Board_1-SDRAM_A8: length 15.4
  Top w0.127: U2#2.H1 100.7,66.01 99.67,64.98 99.16,64.98 94.57,60.4 87.92,60.4 U1#2.T20
Board_1-SDRAM_A9: length 17.4
  Top w0.127: v1(91.72,64.74) 91.85,64.62 91.95,64.62 93.73,66.4 93.73,67.66 94.71,68.65 99.27,68.65 99.9,68.02 U2#2.G3 ; U1#2.L19 87.02,64.72 87.42,65.12 v1(87.42,65.66)
  Bottom w0.127: v1(91.72,64.74) 91.51,64.53 91.03,64.53 90.72,64.85 88.24,64.85 v1(87.42,65.66)
Board_1-SDRAM_A10: length 16.5
  Top w0.127: U1#2.C20 89.53,72.6 90,72.6 93.24,75.84 97.06,75.84 99.67,73.23 100.29,73.23 100.7,72.82 U2#2.H9
Board_1-SDRAM_A11: length 18.5
  Top w0.127: U2#2.G2 100.29,67.33 100.29,68.02 99.41,68.91 94.61,68.91 93.48,67.77 93.48,66.77 91.87,65.17 91.39,65.17 v1(91.27,65.05) ; U1#2.K19 87.02,65.33 v1(86.63,65.72)
  In2.Cu w0.127: v1(91.27,65.05) 91.07,64.85 87.5,64.85 v1(86.63,65.72)
Board_1-SDRAM_A12: length 14.4
  Top w0.127: U2#2.G1 99.9,66 99.39,65.49 98.95,65.49 94.46,61 88.39,61 88.1,61.3 U1#2.R20
Board_1-SDRAM_BA0: length 15.4
  Top w0.127: U2#2.G7 99.9,70.65 99.27,70.03 94.3,70.03 92.46,68.19 92.46,67.77 91.23,66.54 89.41,66.54 89.22,66.35 88.7,66.35 88.55,66.49 v1(87.46,66.49) 87.42,66.49 U1#2.J19
Board_1-SDRAM_BA1: length 21.4
  Top w0.127: U1#2.L16 84.62,64.52 v1(85.02,64.92) ; U2#2.G8 99.9,71.6 100.29,71.21 100.29,70.68 99.37,69.77 94.4,69.77 92.72,68.08 92.72,67.64 91.2,66.13 v1(91.06,66.13)
  In2.Cu w0.127: v1(85.02,64.92) 86.21,66.11 86.21,66.72 86.22,66.72 86.44,66.94 88.08,66.94 88.08,67.03 88.76,67.71 89.49,67.71 v1(91.06,66.13)
Board_1-SDRAM_CKE: length 17.7
  Top w0.127: U2#2.F3 98.71,68.13 94.92,68.13 94.33,67.53 94.33,66.04 92.37,64.09 90.91,64.09 v1(90.55,64.45) ; v1(85.82,64.93) 85.82,65.69 U1#2.J17
  Bottom w0.127: v1(85.82,64.93) 86.21,64.54 90.16,64.54 90.25,64.45 v1(90.55,64.45)
Board_1-SDRAM_CLK: length 15.8
  Top w0.127: U2#2.F2 99.49,67.33 99.49,67.92 99.03,68.38 94.81,68.38 94.07,67.64 94.07,66.31 92.11,64.34 91.24,64.34 90.74,64.85 88.17,64.85 U1#2.L20
Board_1-SDRAM_D0: length 12.5
  Top w0.127: v1(85.81,66.49) 85.82,66.49 U1#2.J18 ; U2#2.A8 94.76,71.74 94.15,71.13 94.15,71 91.03,67.87 v1(91.03,67.76)
  In2.Cu w0.127: v1(91.03,67.76) 90.79,67.99 88.68,67.99 88.09,67.4 86.51,67.4 85.81,66.69 v1(85.81,66.49)
Board_1-SDRAM_D1: length 10.9
  Top w0.127: U2#2.B9 95.51,72.93 94.35,72.93 94.15,72.72 94.15,72.6 93.55,72.01 93.55,71.24 90.25,67.93 89.15,67.93 89.06,67.84 87.97,67.84 U1#2.G20
Board_1-SDRAM_D2: length 11.2
  Top w0.127: U1#2.G19 87.43,67.29 88.21,67.29 88.51,67.59 89.16,67.59 89.25,67.68 90.35,67.68 93.91,71.24 93.91,71.25 94.79,72.13 95.51,72.13 U2#2.B8
Board_1-SDRAM_D3: length 17.1
  Top w0.127: U2#2.C9 96.7,72.82 96.08,73.43 94.14,73.43 93.64,72.93 93.64,72.81 93.05,72.22 93.05,71.45 90.07,68.48 89.09,68.48 v1(88.98,68.58) ; v1(84.23,69.68) 84.24,69.68 U1#2.E16
  Bottom w0.127: v1(84.23,69.68) 84.23,68.96 84.69,68.5 85.73,68.5 85.74,68.5 86.01,68.5 86.02,68.5 88.9,68.5 v1(88.98,68.58)
Board_1-SDRAM_D4: length 13.4
  Top w0.127: U1#2.F19 87.42,68.1 88.95,68.1 89.04,68.19 90.14,68.19 93.3,71.34 93.3,72.11 93.89,72.71 93.89,72.82 94.25,73.18 95.83,73.18 96.31,72.7 96.31,72.13 U2#2.C8
Board_1-SDRAM_D5: length 13
  Top w0.127: U2#2.D9 97.5,72.75 96.31,73.94 93.93,73.94 93.13,73.14 93.13,73.02 92.54,72.43 92.54,71.97 89.85,69.28 88.53,69.28 88.02,68.78 88.02,68.7 U1#2.F20
Board_1-SDRAM_D6: length 16.8
  Top w0.127: U1#2.H18 v1(85.82,67.29) ; v1(89.75,68.88) 90.11,68.88 92.79,71.55 92.79,72.32 93.38,72.92 93.38,73.03 94.04,73.69 96.2,73.69 97.11,72.78 97.11,72.13 U2#2.D8
  In2.Cu w0.127: v1(89.75,68.88) 89.54,69.08 88.9,69.08 87.47,67.66 86.18,67.66 v1(85.82,67.29)
Board_1-SDRAM_D7: length 15.6
  Top w0.127: U1#2.F18 86.59,68.86 v1(86.59,68.9) ; U2#2.E9 98.3,72.67 96.48,74.48 93.87,74.48 93.84,74.45 93.72,74.45 92.62,73.35 92.62,73.23 92.03,72.64 89.4,70.01 v1(89.1,70.01)
  In2.Cu w0.127: v1(89.1,70.01) 89,70.11 87.76,70.11 86.59,68.93 v1(86.59,68.9)
Board_1-SDRAM_D8: length 13.6
  Top w0.127: U2#2.E1 98.3,65.92 94.17,61.8 88.78,61.8 88.09,62.49 87.41,62.49 U1#2.P19
Board_1-SDRAM_D9: length 16.3
  Top w0.127: v1(89.68,62.2) 89.81,62.08 94.09,62.08 97.89,65.87 97.89,66.54 U2#2.D2 ; v1(85.84,63.28) 85.81,63.28 U1#2.N17
  Bottom w0.127: v1(89.68,62.2) 89.27,61.79 87.34,61.79 v1(85.84,63.28)
